# Altium PCB PCB2.PcbDoc (part 3 of 3) (continued)
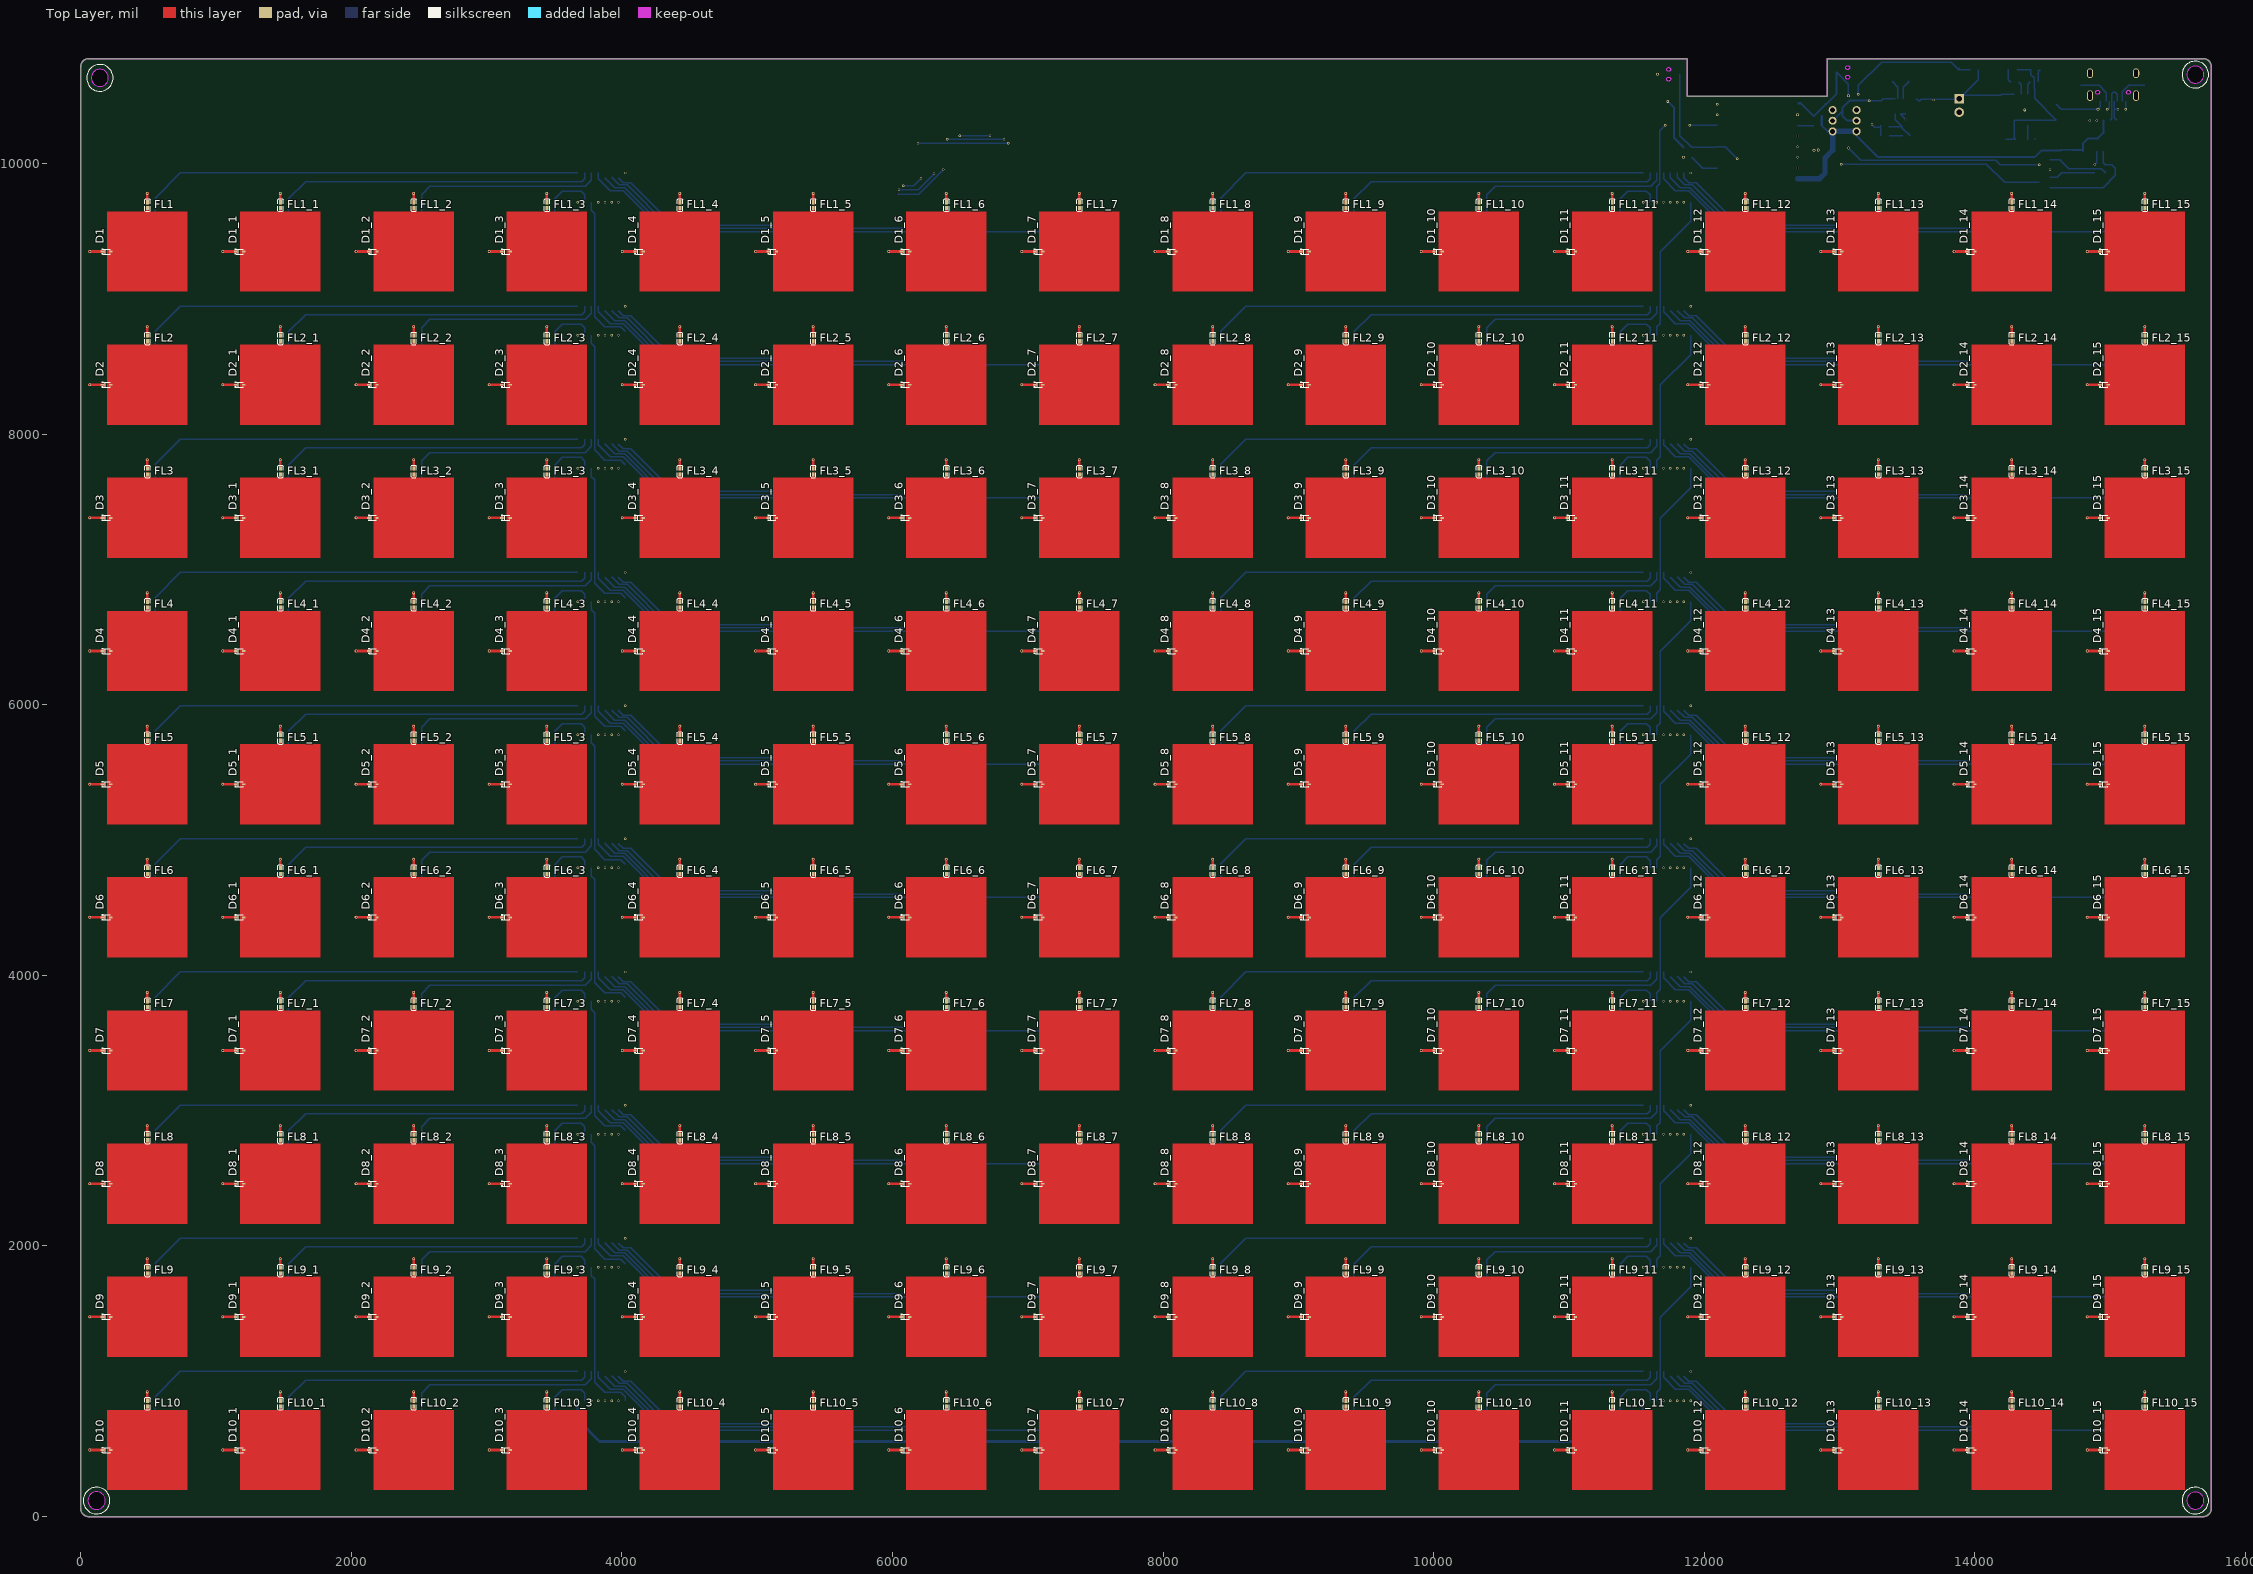
[diagram p0: Top Layer view]
## Nets (pads, with @x,y where several pads share a name; then routed paths per layer and width w, separated by ;. In a path a pad name is that pad's centre, name@x,y a point inside that pad or via, vN(x,y) a via of type N, cw(c..) or ccw(c..) an arc to the next point about the centre after c; other vN are vias at no path point) (continued)
NewNet557: BR_1_6.2 U6_6.4 | length 3745.5
  Bottom Layer w10: U6_6.4@11699,4024.19 11699,3982.49 11787,3894.49 11884,3894.49 12188,3590.49 15093.34,3590.49 BR_1_6.2@15197.34,3694.49
NewNet558: BR_14.2 U6_6.1 | length 3344.1
  Bottom Layer w10: BR_14.2@8424.66,3695.49 8424.66,3838.15 8610.7,4024.19 U6_6.1@11549,4024.19
NewNet559: U6_6.9 U6_7.14 | length 1087.8
  Bottom Layer w10: U6_7.14@11649,2824.54 11649,2886.49 11674,2911.49 11674,3441.49 11899,3666.49 U6_6.9@11899,3808.79
NewNet560: BR_7_7.2 U6_7.2 | length 2433.6
  Bottom Layer w10: BR_7_7.2@9409.66,2708.24 9409.66,2848.9 9537,2976.24 11577,2976.24 11599,2998.24 U6_7.2@11599,3039.94
NewNet561: BR_6_7.2 U6_7.3 | length 1523.2
  Bottom Layer w10: BR_6_7.2@10393.66,2709.24 10393.66,2879.9 10455,2941.24 11603,2941.24 11649,2987.24 U6_7.3@11649,3039.94
NewNet562: BR_5_7.2 U6_7.15 | length 449.6
  Bottom Layer w10: BR_5_7.2@11377.66,2710.24 11377.66,2848.9 11435,2906.24 11572,2906.24 11599,2879.24 U6_7.15@11599,2824.54
NewNet563: BR_4_7.2 U6_7.7 | length 517.4
  Bottom Layer w10: U6_7.7@11849,3004.24 11884,2969.24 11939,2969.24 12198,2710.24 BR_4_7.2@12244.58,2710.24
NewNet564: BR_3_7.2 U6_7.6 | length 1598.4
  Bottom Layer w10: U6_7.6@11799,3007.24 11854,2952.24 11912,2952.24 12209,2655.24 13173.84,2655.24 BR_3_7.2@13228.84,2710.24
NewNet565: BR_2_7.2 U6_7.5 | length 2651.7
  Bottom Layer w10: U6_7.5@11749,3005.24 11823,2931.24 11894,2931.24 12194,2631.24 14134.09,2631.24 BR_2_7.2@14213.09,2710.24
NewNet566: BR_1_7.2 U6_7.4 | length 3745.5
  Bottom Layer w10: U6_7.4@11699,3039.94 11699,2998.24 11787,2910.24 11884,2910.24 12188,2606.24 15093.34,2606.24 BR_1_7.2@15197.34,2710.24
NewNet567: BR_15.2 U6_7.1 | length 3344.1
  Bottom Layer w10: BR_15.2@8424.66,2711.24 8424.66,2853.9 8610.7,3039.94 U6_7.1@11549,3039.94
NewNet568: U6_7.9 U6_8.14 | length 1087.8
  Bottom Layer w10: U6_8.14@11649,1840.28 11649,1902.24 11674,1927.24 11674,2457.24 11899,2682.24 U6_7.9@11899,2824.54
NewNet569: BR_7_8.2 U6_8.2 | length 2433.6
  Bottom Layer w10: BR_7_8.2@9409.66,1723.98 9409.66,1864.64 9537,1991.98 11577,1991.98 11599,2013.98 U6_8.2@11599,2055.68
NewNet570: BR_6_8.2 U6_8.3 | length 1523.2
  Bottom Layer w10: BR_6_8.2@10393.66,1724.98 10393.66,1895.64 10455,1956.98 11603,1956.98 11649,2002.98 U6_8.3@11649,2055.68
NewNet571: BR_5_8.2 U6_8.15 | length 449.6
  Bottom Layer w10: BR_5_8.2@11377.66,1725.98 11377.66,1864.64 11435,1921.98 11572,1921.98 11599,1894.98 U6_8.15@11599,1840.28
NewNet572: BR_4_8.2 U6_8.7 | length 517.4
  Bottom Layer w10: U6_8.7@11849,2019.98 11884,1984.98 11939,1984.98 12198,1725.98 BR_4_8.2@12244.58,1725.98
NewNet573: BR_3_8.2 U6_8.6 | length 1598.4
  Bottom Layer w10: U6_8.6@11799,2022.98 11854,1967.98 11912,1967.98 12209,1670.98 13173.84,1670.98 BR_3_8.2@13228.84,1725.98
NewNet574: BR_2_8.2 U6_8.5 | length 2651.7
  Bottom Layer w10: U6_8.5@11749,2020.98 11823,1946.98 11894,1946.98 12194,1646.98 14134.09,1646.98 BR_2_8.2@14213.09,1725.98
NewNet575: BR_1_8.2 U6_8.4 | length 3745.5
  Bottom Layer w10: U6_8.4@11699,2055.68 11699,2013.98 11787,1925.98 11884,1925.98 12188,1621.98 15093.34,1621.98 BR_1_8.2@15197.34,1725.98
NewNet576: BR_16.2 U6_8.1 | length 3344.1
  Bottom Layer w10: BR_16.2@8424.66,1726.98 8424.66,1869.64 8610.7,2055.68 U6_8.1@11549,2055.68
NewNet577: U6_8.9 U6_9.14 | length 1087.8
  Bottom Layer w10: U6_9.14@11649,856.03 11649,917.98 11674,942.98 11674,1472.98 11899,1697.98 U6_8.9@11899,1840.28
NewNet578: BR_7_9.2 U6_9.2 | length 2433.6
  Bottom Layer w10: BR_7_9.2@9409.66,739.73 9409.66,880.39 9537,1007.73 11577,1007.73 11599,1029.73 U6_9.2@11599,1071.43
NewNet579: BR_6_9.2 U6_9.3 | length 1523.2
  Bottom Layer w10: BR_6_9.2@10393.66,740.73 10393.66,911.39 10455,972.73 11603,972.73 11649,1018.73 U6_9.3@11649,1071.43
NewNet580: BR_5_9.2 U6_9.15 | length 449.6
  Bottom Layer w10: BR_5_9.2@11377.66,741.73 11377.66,880.39 11435,937.73 11572,937.73 11599,910.73 U6_9.15@11599,856.03
NewNet581: BR_4_9.2 U6_9.7 | length 517.4
  Bottom Layer w10: U6_9.7@11849,1035.73 11884,1000.73 11939,1000.73 12198,741.73 BR_4_9.2@12244.58,741.73
NewNet582: BR_3_9.2 U6_9.6 | length 1598.4
  Bottom Layer w10: U6_9.6@11799,1038.73 11854,983.73 11912,983.73 12209,686.73 13173.84,686.73 BR_3_9.2@13228.84,741.73
NewNet583: BR_2_9.2 U6_9.5 | length 2651.7
  Bottom Layer w10: U6_9.5@11749,1036.73 11823,962.73 11894,962.73 12194,662.73 14134.09,662.73 BR_2_9.2@14213.09,741.73
NewNet584: BR_1_9.2 U6_9.4 | length 3745.5
  Bottom Layer w10: U6_9.4@11699,1071.43 11699,1029.73 11787,941.73 11884,941.73 12188,637.73 15093.34,637.73 BR_1_9.2@15197.34,741.73
NewNet585: BR_17.2 U6_9.1 | length 3344.1
  Bottom Layer w10: BR_17.2@8424.66,742.73 8424.66,885.39 8610.7,1071.43 U6_9.1@11549,1071.43
NewNet586: U6_9.9 U6_19.14 | length 8458.1
  S2 w10: v2(3774.98,856.03) 3774.98,736.02 3904,607 11748,607 11899,758 v2(11899,856.03)
NewNet587: BR_7_10.2 U6_10.2 | length 2433.6
  Bottom Layer w10: BR_7_10.2@1535.64,9598 1535.64,9738.66 1662.98,9866 3702.98,9866 3724.98,9888 U6_10.2@3724.98,9929.7
NewNet588: BR_6_10.2 U6_10.3 | length 1523.2
  Bottom Layer w10: BR_6_10.2@2519.64,9599 2519.64,9769.66 2580.98,9831 3728.98,9831 3774.98,9877 U6_10.3@3774.98,9929.7
NewNet589: BR_5_10.2 U6_10.15 | length 449.6
  Bottom Layer w10: BR_5_10.2@3503.64,9600 3503.64,9738.66 3560.98,9796 3697.98,9796 3724.98,9769 U6_10.15@3724.98,9714.3
NewNet590: BR_4_10.2 U6_10.7 | length 517.4
  Bottom Layer w10: U6_10.7@3974.98,9894 4009.98,9859 4064.98,9859 4323.98,9600 BR_4_10.2@4370.57,9600
NewNet591: BR_3_10.2 U6_10.6 | length 1598.4
  Bottom Layer w10: U6_10.6@3924.98,9897 3979.98,9842 4037.98,9842 4334.98,9545 5299.82,9545 BR_3_10.2@5354.82,9600
NewNet592: BR_2_10.2 U6_10.5 | length 2651.7
  Bottom Layer w10: U6_10.5@3874.98,9895 3948.98,9821 4019.98,9821 4319.98,9521 6260.07,9521 BR_2_10.2@6339.07,9600
NewNet593: BR_1_10.2 U6_10.4 | length 3745.5
  Bottom Layer w10: U6_10.4@3824.98,9929.7 3824.98,9888 3912.98,9800 4009.98,9800 4313.98,9496 7219.32,9496 BR_1_10.2@7323.32,9600
NewNet594: BR_18.2 U6_10.1 | length 3344.1
  Bottom Layer w10: BR_18.2@550.64,9601 550.64,9743.66 736.68,9929.7 U6_10.1@3674.98,9929.7
NewNet595: U6_10.14 U6_11.9 | length 1127.8
  Bottom Layer w10: U6_10.14@3774.98,9714.3 3774.98,9654.03 3800,9629.02 3800,8867.02 3875,8792.02 3991,8792.02 U6_11.9@4024.98,8758.03
NewNet596: BR_7_11.2 U6_11.2 | length 2433.6
  Bottom Layer w10: BR_7_11.2@1535.64,8613.75 1535.64,8754.41 1662.98,8881.75 3702.98,8881.75 3724.98,8903.75 U6_11.2@3724.98,8945.45
NewNet597: BR_6_11.2 U6_11.3 | length 1523.2
  Bottom Layer w10: BR_6_11.2@2519.64,8614.75 2519.64,8785.41 2580.98,8846.75 3728.98,8846.75 3774.98,8892.75 U6_11.3@3774.98,8945.45
NewNet598: BR_5_11.2 U6_11.15 | length 449.6
  Bottom Layer w10: BR_5_11.2@3503.64,8615.75 3503.64,8754.41 3560.98,8811.75 3697.98,8811.75 3724.98,8784.75 U6_11.15@3724.98,8730.05
NewNet599: BR_4_11.2 U6_11.7 | length 517.4
  Bottom Layer w10: U6_11.7@3974.98,8909.75 4009.98,8874.75 4064.98,8874.75 4323.98,8615.75 BR_4_11.2@4370.57,8615.75
NewNet600: BR_3_11.2 U6_11.6 | length 1598.4
  Bottom Layer w10: U6_11.6@3924.98,8912.75 3979.98,8857.75 4037.98,8857.75 4334.98,8560.75 5299.82,8560.75 BR_3_11.2@5354.82,8615.75
NewNet601: BR_2_11.2 U6_11.5 | length 2651.7
  Bottom Layer w10: U6_11.5@3874.98,8910.75 3948.98,8836.75 4019.98,8836.75 4319.98,8536.75 6260.07,8536.75 BR_2_11.2@6339.07,8615.75
NewNet602: BR_1_11.2 U6_11.4 | length 3745.5
  Bottom Layer w10: U6_11.4@3824.98,8945.45 3824.98,8903.75 3912.98,8815.75 4009.98,8815.75 4313.98,8511.75 7219.32,8511.75 BR_1_11.2@7323.32,8615.75
NewNet603: BR_19.2 U6_11.1 | length 3344.1
  Bottom Layer w10: BR_19.2@550.64,8616.75 550.64,8759.41 736.68,8945.45 U6_11.1@3674.98,8945.45
NewNet604: U6_11.14 U6_12.9 | length 1127.8
  Bottom Layer w10: U6_11.14@3774.98,8730.05 3774.98,8669.78 3800,8644.76 3800,7882.76 3875,7807.76 3991,7807.76 U6_12.9@4024.98,7773.78
NewNet605: BR_7_12.2 U6_12.2 | length 2433.6
  Bottom Layer w10: BR_7_12.2@1535.64,7629.5 1535.64,7770.16 1662.98,7897.5 3702.98,7897.5 3724.98,7919.5 U6_12.2@3724.98,7961.2
NewNet606: BR_6_12.2 U6_12.3 | length 1523.2
  Bottom Layer w10: BR_6_12.2@2519.64,7630.5 2519.64,7801.16 2580.98,7862.5 3728.98,7862.5 3774.98,7908.5 U6_12.3@3774.98,7961.2
NewNet607: BR_5_12.2 U6_12.15 | length 449.6
  Bottom Layer w10: BR_5_12.2@3503.64,7631.5 3503.64,7770.16 3560.98,7827.5 3697.98,7827.5 3724.98,7800.5 U6_12.15@3724.98,7745.8
NewNet608: BR_4_12.2 U6_12.7 | length 517.4
  Bottom Layer w10: U6_12.7@3974.98,7925.5 4009.98,7890.5 4064.98,7890.5 4323.98,7631.5 BR_4_12.2@4370.57,7631.5
NewNet609: BR_3_12.2 U6_12.6 | length 1598.4
  Bottom Layer w10: U6_12.6@3924.98,7928.5 3979.98,7873.5 4037.98,7873.5 4334.98,7576.5 5299.82,7576.5 BR_3_12.2@5354.82,7631.5
NewNet610: BR_2_12.2 U6_12.5 | length 2651.7
  Bottom Layer w10: U6_12.5@3874.98,7926.5 3948.98,7852.5 4019.98,7852.5 4319.98,7552.5 6260.07,7552.5 BR_2_12.2@6339.07,7631.5
NewNet611: BR_1_12.2 U6_12.4 | length 3745.5
  Bottom Layer w10: U6_12.4@3824.98,7961.2 3824.98,7919.5 3912.98,7831.5 4009.98,7831.5 4313.98,7527.5 7219.32,7527.5 BR_1_12.2@7323.32,7631.5
NewNet612: BR_20.2 U6_12.1 | length 3344.1
  Bottom Layer w10: BR_20.2@550.64,7632.5 550.64,7775.16 736.68,7961.2 U6_12.1@3674.98,7961.2
NewNet613: U6_12.14 U6_13.9 | length 1127.8
  Bottom Layer w10: U6_12.14@3774.98,7745.8 3774.98,7685.53 3800,7660.51 3800,6898.51 3875,6823.51 3991,6823.51 U6_13.9@4024.98,6789.53
NewNet614: BR_7_13.2 U6_13.2 | length 2433.6
  Bottom Layer w10: BR_7_13.2@1535.64,6645.24 1535.64,6785.9 1662.98,6913.24 3702.98,6913.24 3724.98,6935.24 U6_13.2@3724.98,6976.94
NewNet615: BR_6_13.2 U6_13.3 | length 1523.2
  Bottom Layer w10: BR_6_13.2@2519.64,6646.24 2519.64,6816.9 2580.98,6878.24 3728.98,6878.24 3774.98,6924.24 U6_13.3@3774.98,6976.94
NewNet616: BR_5_13.2 U6_13.15 | length 449.6
  Bottom Layer w10: BR_5_13.2@3503.64,6647.24 3503.64,6785.9 3560.98,6843.24 3697.98,6843.24 3724.98,6816.24 U6_13.15@3724.98,6761.54
NewNet617: BR_4_13.2 U6_13.7 | length 517.4
  Bottom Layer w10: U6_13.7@3974.98,6941.24 4009.98,6906.24 4064.98,6906.24 4323.98,6647.24 BR_4_13.2@4370.57,6647.24
NewNet618: BR_3_13.2 U6_13.6 | length 1598.4
  Bottom Layer w10: U6_13.6@3924.98,6944.24 3979.98,6889.24 4037.98,6889.24 4334.98,6592.24 5299.82,6592.24 BR_3_13.2@5354.82,6647.24
NewNet619: BR_2_13.2 U6_13.5 | length 2651.7
  Bottom Layer w10: U6_13.5@3874.98,6942.24 3948.98,6868.24 4019.98,6868.24 4319.98,6568.24 6260.07,6568.24 BR_2_13.2@6339.07,6647.24
NewNet620: BR_1_13.2 U6_13.4 | length 3745.5
  Bottom Layer w10: U6_13.4@3824.98,6976.94 3824.98,6935.24 3912.98,6847.24 4009.98,6847.24 4313.98,6543.24 7219.32,6543.24 BR_1_13.2@7323.32,6647.24
NewNet621: BR_21.2 U6_13.1 | length 3344.1
  Bottom Layer w10: BR_21.2@550.64,6648.24 550.64,6790.9 736.68,6976.94 U6_13.1@3674.98,6976.94
NewNet622: U6_13.14 U6_14.9 | length 1127.8
  Bottom Layer w10: U6_13.14@3774.98,6761.54 3774.98,6701.28 3800,6676.26 3800,5914.26 3875,5839.26 3991,5839.26 U6_14.9@4024.98,5805.28
NewNet623: BR_7_14.2 U6_14.2 | length 2433.6
  Bottom Layer w10: BR_7_14.2@1535.64,5660.99 1535.64,5801.65 1662.98,5928.99 3702.98,5928.99 3724.98,5950.99 U6_14.2@3724.98,5992.69
NewNet624: BR_6_14.2 U6_14.3 | length 1523.2
  Bottom Layer w10: BR_6_14.2@2519.64,5661.99 2519.64,5832.65 2580.98,5893.99 3728.98,5893.99 3774.98,5939.99 U6_14.3@3774.98,5992.69
NewNet625: BR_5_14.2 U6_14.15 | length 449.6
  Bottom Layer w10: BR_5_14.2@3503.64,5662.99 3503.64,5801.65 3560.98,5858.99 3697.98,5858.99 3724.98,5831.99 U6_14.15@3724.98,5777.29
NewNet626: BR_4_14.2 U6_14.7 | length 517.4
  Bottom Layer w10: U6_14.7@3974.98,5956.99 4009.98,5921.99 4064.98,5921.99 4323.98,5662.99 BR_4_14.2@4370.57,5662.99
NewNet627: BR_3_14.2 U6_14.6 | length 1598.4
  Bottom Layer w10: U6_14.6@3924.98,5959.99 3979.98,5904.99 4037.98,5904.99 4334.98,5607.99 5299.82,5607.99 BR_3_14.2@5354.82,5662.99
NewNet628: BR_2_14.2 U6_14.5 | length 2651.7
  Bottom Layer w10: U6_14.5@3874.98,5957.99 3948.98,5883.99 4019.98,5883.99 4319.98,5583.99 6260.07,5583.99 BR_2_14.2@6339.07,5662.99
NewNet629: BR_1_14.2 U6_14.4 | length 3745.5
  Bottom Layer w10: U6_14.4@3824.98,5992.69 3824.98,5950.99 3912.98,5862.99 4009.98,5862.99 4313.98,5558.99 7219.32,5558.99 BR_1_14.2@7323.32,5662.99
NewNet630: BR_22.2 U6_14.1 | length 3344.1
  Bottom Layer w10: BR_22.2@550.64,5663.99 550.64,5806.65 736.68,5992.69 U6_14.1@3674.98,5992.69
NewNet631: U6_14.14 U6_15.9 | length 1127.8
  Bottom Layer w10: U6_14.14@3774.98,5777.29 3774.98,5717.02 3800,5692.01 3800,4930.01 3875,4855.01 3991,4855.01 U6_15.9@4024.98,4821.02
NewNet632: BR_7_15.2 U6_15.2 | length 2433.6
  Bottom Layer w10: BR_7_15.2@1535.64,4676.74 1535.64,4817.4 1662.98,4944.74 3702.98,4944.74 3724.98,4966.74 U6_15.2@3724.98,5008.44
NewNet633: BR_6_15.2 U6_15.3 | length 1523.2
  Bottom Layer w10: BR_6_15.2@2519.64,4677.74 2519.64,4848.4 2580.98,4909.74 3728.98,4909.74 3774.98,4955.74 U6_15.3@3774.98,5008.44
NewNet634: BR_5_15.2 U6_15.15 | length 449.6
  Bottom Layer w10: BR_5_15.2@3503.64,4678.74 3503.64,4817.4 3560.98,4874.74 3697.98,4874.74 3724.98,4847.74 U6_15.15@3724.98,4793.04
NewNet635: BR_4_15.2 U6_15.7 | length 517.4
  Bottom Layer w10: U6_15.7@3974.98,4972.74 4009.98,4937.74 4064.98,4937.74 4323.98,4678.74 BR_4_15.2@4370.57,4678.74
NewNet636: BR_3_15.2 U6_15.6 | length 1598.4
  Bottom Layer w10: U6_15.6@3924.98,4975.74 3979.98,4920.74 4037.98,4920.74 4334.98,4623.74 5299.82,4623.74 BR_3_15.2@5354.82,4678.74
NewNet637: BR_2_15.2 U6_15.5 | length 2651.7
  Bottom Layer w10: U6_15.5@3874.98,4973.74 3948.98,4899.74 4019.98,4899.74 4319.98,4599.74 6260.07,4599.74 BR_2_15.2@6339.07,4678.74
NewNet638: BR_1_15.2 U6_15.4 | length 3745.5
  Bottom Layer w10: U6_15.4@3824.98,5008.44 3824.98,4966.74 3912.98,4878.74 4009.98,4878.74 4313.98,4574.74 7219.32,4574.74 BR_1_15.2@7323.32,4678.74
NewNet639: BR_23.2 U6_15.1 | length 3344.1
  Bottom Layer w10: BR_23.2@550.64,4679.74 550.64,4822.4 736.68,5008.44 U6_15.1@3674.98,5008.44
NewNet640: U6_15.14 U6_16.9 | length 1127.8
  Bottom Layer w10: U6_15.14@3774.98,4793.04 3774.98,4732.77 3800,4707.76 3800,3945.76 3875,3870.76 3991,3870.76 U6_16.9@4024.98,3836.77
NewNet641: BR_7_16.2 U6_16.2 | length 2433.6
  Bottom Layer w10: BR_7_16.2@1535.64,3692.49 1535.64,3833.15 1662.98,3960.49 3702.98,3960.49 3724.98,3982.49 U6_16.2@3724.98,4024.19
NewNet642: BR_6_16.2 U6_16.3 | length 1523.2
  Bottom Layer w10: BR_6_16.2@2519.64,3693.49 2519.64,3864.15 2580.98,3925.49 3728.98,3925.49 3774.98,3971.49 U6_16.3@3774.98,4024.19
NewNet643: BR_5_16.2 U6_16.15 | length 449.6
  Bottom Layer w10: BR_5_16.2@3503.64,3694.49 3503.64,3833.15 3560.98,3890.49 3697.98,3890.49 3724.98,3863.49 U6_16.15@3724.98,3808.79
NewNet644: BR_4_16.2 U6_16.7 | length 517.4
  Bottom Layer w10: U6_16.7@3974.98,3988.49 4009.98,3953.49 4064.98,3953.49 4323.98,3694.49 BR_4_16.2@4370.57,3694.49
NewNet645: BR_3_16.2 U6_16.6 | length 1598.4
  Bottom Layer w10: U6_16.6@3924.98,3991.49 3979.98,3936.49 4037.98,3936.49 4334.98,3639.49 5299.82,3639.49 BR_3_16.2@5354.82,3694.49
NewNet646: BR_2_16.2 U6_16.5 | length 2651.7
  Bottom Layer w10: U6_16.5@3874.98,3989.49 3948.98,3915.49 4019.98,3915.49 4319.98,3615.49 6260.07,3615.49 BR_2_16.2@6339.07,3694.49
NewNet647: BR_1_16.2 U6_16.4 | length 3745.5
  Bottom Layer w10: U6_16.4@3824.98,4024.19 3824.98,3982.49 3912.98,3894.49 4009.98,3894.49 4313.98,3590.49 7219.32,3590.49 BR_1_16.2@7323.32,3694.49
NewNet648: BR_24.2 U6_16.1 | length 3344.1
  Bottom Layer w10: BR_24.2@550.64,3695.49 550.64,3838.15 736.68,4024.19 U6_16.1@3674.98,4024.19
NewNet649: U6_16.14 U6_17.9 | length 1127.8
  Bottom Layer w10: U6_16.14@3774.98,3808.79 3774.98,3748.52 3800,3723.5 3800,2961.5 3875,2886.5 3991,2886.5 U6_17.9@4024.98,2852.52
NewNet650: BR_7_17.2 U6_17.2 | length 2433.6
  Bottom Layer w10: BR_7_17.2@1535.64,2708.24 1535.64,2848.9 1662.98,2976.24 3702.98,2976.24 3724.98,2998.24 U6_17.2@3724.98,3039.94
NewNet651: BR_6_17.2 U6_17.3 | length 1523.2
  Bottom Layer w10: BR_6_17.2@2519.64,2709.24 2519.64,2879.9 2580.98,2941.24 3728.98,2941.24 3774.98,2987.24 U6_17.3@3774.98,3039.94
NewNet652: BR_5_17.2 U6_17.15 | length 449.6
  Bottom Layer w10: BR_5_17.2@3503.64,2710.24 3503.64,2848.9 3560.98,2906.24 3697.98,2906.24 3724.98,2879.24 U6_17.15@3724.98,2824.54
NewNet653: BR_4_17.2 U6_17.7 | length 517.4
  Bottom Layer w10: U6_17.7@3974.98,3004.24 4009.98,2969.24 4064.98,2969.24 4323.98,2710.24 BR_4_17.2@4370.57,2710.24
NewNet654: BR_3_17.2 U6_17.6 | length 1598.4
  Bottom Layer w10: U6_17.6@3924.98,3007.24 3979.98,2952.24 4037.98,2952.24 4334.98,2655.24 5299.82,2655.24 BR_3_17.2@5354.82,2710.24
NewNet655: BR_2_17.2 U6_17.5 | length 2651.7
  Bottom Layer w10: U6_17.5@3874.98,3005.24 3948.98,2931.24 4019.98,2931.24 4319.98,2631.24 6260.07,2631.24 BR_2_17.2@6339.07,2710.24
NewNet656: BR_1_17.2 U6_17.4 | length 3745.5
  Bottom Layer w10: U6_17.4@3824.98,3039.94 3824.98,2998.24 3912.98,2910.24 4009.98,2910.24 4313.98,2606.24 7219.32,2606.24 BR_1_17.2@7323.32,2710.24
NewNet657: BR_25.2 U6_17.1 | length 3344.1
  Bottom Layer w10: BR_25.2@550.64,2711.24 550.64,2853.9 736.68,3039.94 U6_17.1@3674.98,3039.94
NewNet658: U6_17.14 U6_18.9 | length 1127.8
  Bottom Layer w10: U6_17.14@3774.98,2824.54 3774.98,2764.27 3800,2739.25 3800,1977.25 3875,1902.25 3991,1902.25 U6_18.9@4024.98,1868.27
NewNet659: BR_7_18.2 U6_18.2 | length 2433.6
  Bottom Layer w10: BR_7_18.2@1535.64,1723.98 1535.64,1864.64 1662.98,1991.98 3702.98,1991.98 3724.98,2013.98 U6_18.2@3724.98,2055.68
NewNet660: BR_6_18.2 U6_18.3 | length 1523.2
  Bottom Layer w10: BR_6_18.2@2519.64,1724.98 2519.64,1895.64 2580.98,1956.98 3728.98,1956.98 3774.98,2002.98 U6_18.3@3774.98,2055.68
NewNet661: BR_5_18.2 U6_18.15 | length 449.6
  Bottom Layer w10: BR_5_18.2@3503.64,1725.98 3503.64,1864.64 3560.98,1921.98 3697.98,1921.98 3724.98,1894.98 U6_18.15@3724.98,1840.28
NewNet662: BR_4_18.2 U6_18.7 | length 517.4
  Bottom Layer w10: U6_18.7@3974.98,2019.98 4009.98,1984.98 4064.98,1984.98 4323.98,1725.98 BR_4_18.2@4370.57,1725.98
NewNet663: BR_3_18.2 U6_18.6 | length 1598.4
  Bottom Layer w10: U6_18.6@3924.98,2022.98 3979.98,1967.98 4037.98,1967.98 4334.98,1670.98 5299.82,1670.98 BR_3_18.2@5354.82,1725.98
NewNet664: BR_2_18.2 U6_18.5 | length 2651.7
  Bottom Layer w10: U6_18.5@3874.98,2020.98 3948.98,1946.98 4019.98,1946.98 4319.98,1646.98 6260.07,1646.98 BR_2_18.2@6339.07,1725.98
NewNet665: BR_1_18.2 U6_18.4 | length 3745.5
  Bottom Layer w10: U6_18.4@3824.98,2055.68 3824.98,2013.98 3912.98,1925.98 4009.98,1925.98 4313.98,1621.98 7219.32,1621.98 BR_1_18.2@7323.32,1725.98
NewNet666: BR_26.2 U6_18.1 | length 3344.1
  Bottom Layer w10: BR_26.2@550.64,1726.98 550.64,1869.64 736.68,2055.68 U6_18.1@3674.98,2055.68
NewNet667: U6_18.14 U6_19.9 | length 1155.8
  Bottom Layer w10: U6_18.14@3774.98,1840.28 3774.98,1780.02 3800,1755 3800,993 3875,918 3991,918 4024.98,884.02 U6_19.9@4024.98,856.03
NewNet668: BR_7_19.2 U6_19.2 | length 2433.6
  Bottom Layer w10: BR_7_19.2@1535.64,739.73 1535.64,880.39 1662.98,1007.73 3702.98,1007.73 3724.98,1029.73 U6_19.2@3724.98,1071.43
NewNet669: BR_6_19.2 U6_19.3 | length 1523.2
  Bottom Layer w10: BR_6_19.2@2519.64,740.73 2519.64,911.39 2580.98,972.73 3728.98,972.73 3774.98,1018.73 U6_19.3@3774.98,1071.43
NewNet670: BR_5_19.2 U6_19.15 | length 449.6
  Bottom Layer w10: BR_5_19.2@3503.64,741.73 3503.64,880.39 3560.98,937.73 3697.98,937.73 3724.98,910.73 U6_19.15@3724.98,856.03
NewNet671: BR_4_19.2 U6_19.7 | length 517.4
  Bottom Layer w10: U6_19.7@3974.98,1035.73 4009.98,1000.73 4064.98,1000.73 4323.98,741.73 BR_4_19.2@4370.57,741.73
NewNet672: BR_3_19.2 U6_19.6 | length 1598.4
  Bottom Layer w10: U6_19.6@3924.98,1038.73 3979.98,983.73 4037.98,983.73 4334.98,686.73 5299.82,686.73 BR_3_19.2@5354.82,741.73
NewNet673: BR_2_19.2 U6_19.5 | length 2651.7
  Bottom Layer w10: U6_19.5@3874.98,1036.73 3948.98,962.73 4019.98,962.73 4319.98,662.73 6260.07,662.73 BR_2_19.2@6339.07,741.73
NewNet674: BR_1_19.2 U6_19.4 | length 3745.5
  Bottom Layer w10: U6_19.4@3824.98,1071.43 3824.98,1029.73 3912.98,941.73 4009.98,941.73 4313.98,637.73 7219.32,637.73 BR_1_19.2@7323.32,741.73
NewNet675: BR_27.2 U6_19.1 | length 3344.1
  Bottom Layer w10: BR_27.2@550.64,742.73 550.64,885.39 736.68,1071.43 U6_19.1@3674.98,1071.43
NewNet676: 
RST: Q1.3 R11.2 SW2.1 U5.1 | length 2614.3
  S2 w10: v1(13066,10114.5) v1(13066,10500.2)
  Bottom Layer w10: U5.1@12689.4,10438.8 U5.1@12695.6,10445 ; SW2.1@12977.91,10672.8 13066,10584.71 v1(13066,10500.2) ; v1(13066,10114.5) 13158,10022.5 14155.9,10022.5 14188.9,9989.5 v1(14476.63,9989.5)
  Bottom Layer w15: U5.1@12695.6,10445 12713.84,10445 R11.2@12809.14,10349.7 12897.04,10437.6 12901,10437.6 12977.91,10514.51 SW2.1@12977.91,10672.8
RTS#: Q1.2 R17.1 U4.14 | length 453.3
  S2 w10: v2(14555.37,9952.1) 14683.7,9952.1 14723.2,9991.6 14887.14,9991.6 v2(14887.5,9991.96)
  Bottom Layer w10: v2(14887.5,9991.96) 14900,10004.46 U4.14@14900,10091.41
VBUS: R4.1 USBC1.A4 USBC1.A9 | length 683
  S2 w10: v1(14910,10400.5) 14943.3,10367.2 15089.3,10367.2 15115.8,10393.7 v1(15115.8,10400.1)
  Bottom Layer w10: R4.1@14603.3,10435.9 14638.7,10400.5 v1(14910,10400.5) 14927,10417.5 USBC1.A4@14927,10459.2 ; v1(15115.8,10400.1) USBC1.A9@15115.8,10459
pads on no net: SW4.1 SW4.4 U4.7 U4.8 U4.9 U4.10 U4.11 U4.12 U4.15 U5.11 U5.17 U5.18 U5.19 U5.20 U5.21 U5.22 U6_10.9 USBC1.0 USBC1.A8 USBC1.B8

## Polygon pours and split planes (outlines as drawn)
VBUS on Bottom Layer "BUSV" (solid, pour order 92): 14947.74,10416.54 14948.34,10367.84 14606.04,10367.84 14568.54,10405.34 14563.84,10410.5 14563.84,10502.34 14560.54,10505.64 14561.44,10504.74 14694.74,10504.74 14736.14,10504.74 14797.44,10443.44 14824.34,10416.54 14928.44,10416.54
NewNet482 on Bottom Layer "BUSV" (solid, remove dead copper, pour order 94): 14640.5,10346 14640.5,10292.4 14639.9,10291.8 14562.7,10291.8 14562.7,10303.8 14479.3,10387.2 14458.9,10407.6 14458.9,10450.1 14458.9,10450.9 14427.6,10482.2 14420.3,10489.5 14420.3,10543.1 14463.5,10543.1 14464.1,10542.5 14509.7,10496.9 14509.7,10418.2 14509.7,10417.7 14579.4,10348 14581.2,10346.2 14640.2,10346.2
BAT+ on Bottom Layer "BUSV" (solid, remove dead copper, pour order 96): 14309.3,10540.5 14309.7,10483.1 14309,10482.4 14308,10483.4 14049,10483.4 13993.7,10483.4 13943,10432.7 13940.1,10429.8 13829.6,10429.8 13530.1,10429.8 13529.6,10429.3 13489.9,10469 13489.9,10479.2 13489.9,10499.6 13536.4,10499.6 13655.9,10499.6 13655.9,10523.5 13751.3,10618.9 13752.3,10619.9 14065.3,10619.9 14167.9,10619.9 14170.5,10622.5 14254.3,10538.7 14264.3,10538.7 14307.5,10538.7
3V3 on Bottom Layer "BUSV" (solid, remove dead copper, pour order 98): 13411.1,10505.7 13411.3,10505.5 13411.3,10461.5 13391.3,10461.5 13360.4,10430.6 13355.8,10426 13280.8,10426 13165.3,10426 13165.2,10426.1 13160.3,10431 13160.3,10506.9 13409.9,10506.9 13410.8,10506 13411.1,10505.7 13411.1,10479.2
3V3 on Bottom Layer "BUSV" (solid, remove dead copper, pour order 100): 13162.9,10491.1 13109.3,10491.1 13100.3,10482.1 12992.9,10374.7 12992.9,10348.9 12923.5,10348.9 12911.1,10336.5 12910.2,10335.6 12910.2,10294.1 12910.2,10293.2 12925.2,10278.2 12925.7,10278.7 12993.3,10278.7 13162,10278.7 13165,10281.7 13168.9,10285.6 13168.9,10333.5 13168.9,10339 13153.4,10354.5 13150.9,10357 13079.8,10357 13079.8,10368.6 13068.7,10379.7 13066.9,10381.5 13066.9,10424.7 13095.6,10424.7 13108.9,10438 13109.4,10437.5 13168.4,10437.5
NewNet492 on Bottom Layer "BUSV" (solid, remove dead copper, pour order 102): 13469,10517.6 13570.2,10517.3 13592,10517.3 13592,10539.1 13592,10693.1 13457.8,10693.1 13456.9,10692.2 13457.5,10691.6 13457.5,10580.6 13457.5,10525.8 13465.7,10517.6
NewNet491 on Bottom Layer "BUSV" (solid, remove dead copper, pour order 104): 13430.8,10517.5 13337.6,10517.5 13308.2,10518.7 13308.2,10537.8 13308.2,10546.9 13308.2,10689.5 13432,10689.5 13432.8,10690.3 13436.7,10686.4 13436.7,10518.7
GND on Bottom Layer "BUSV" (solid, remove dead copper, pour order 124): 17389,13291 17389,-1535 -5042,-1535 -5132,-1535 -5132,12725
GND on Y1 "BUSV" (solid, remove dead copper, pour order 122): 17706,12634 17706,-1716 -3819,-1716 -4114,-1716 -4114,12974

## Keep-outs
Keep-Out Layer:
  circle w0.79: c15629.57,117.11 r62.99
  circle w0.79: c141.57,10632.63 r62.99
  circle w0.79: c117.95,116.95 r64.96
  circle w0.79: c15629.57,10656.63 r62.99
  lines w0.5: -0.16,57.9 -0.16,10715.38 ; 58.9,-1.16 15688.82,-1.16 ; 58.9,10774.43 59.05,10774.28 11875.15,10774.28 11875.15,10768.9 11875.15,10758.9 11875.15,10497.3 12072,10497.3 12712,10497.3 12908.85,10497.3 12908.85,10768.9 12908.85,10774.28 ; 12909,10774.43 15688.82,10774.43 ; 15747.87,57.9 15747.87,10715.38
  lines w0.51: -0.16,57.9 ccw(c58.9,57.9) 58.9,-1.16 ; -0.16,10715.38 cw(c58.9,10715.38) 58.9,10774.43 ; 15688.82,-1.16 ccw(c15688.82,57.9) 15747.87,57.9 ; 15688.82,10774.43 cw(c15688.82,10715.38) 15747.87,10715.38

## Other copper
Top Layer:
  drawing of 480 lines, arcs and shapes, not listed

## Silkscreen, mask and mechanical layers (free items; w line width, h text height)
Top Overlay:
  circle w0.79: c15629.57,117.11 r98.43
  circle w0.79: c117.57,117.11 r98.43
  circle w0.79: c15629.57,10656.63 r98.43
  circle w0.79: c141.57,10632.63 r98.43
Bottom Overlay:
  circle w0.79: c117.57,117.11 r98.43
  circle w0.79: c141.57,10632.63 r98.43
  circle w0.79: c15629.57,10656.63 r98.43
  circle w0.79: c15629.57,117.11 r98.43
  text "RST" at 13286,10658.5 h39.37
Top Solder:
  drawing of 480 lines, arcs and shapes, not listed
Mechanical 1:
  drawing of 2880 lines, arcs and shapes, not listed
Mechanical 2:
  drawing of 320 lines, arcs and shapes, not listed
Mechanical 3:
  drawing of 234 lines, arcs and shapes, not listed
Mechanical 4:
  lines w0.5: 11975.03,9939.12 11982.9,9939.12 11975.03,9939.12 ; 13038.02,9939.12 13045.9,9939.12 13038.02,9939.12 ; 14101.01,9939.12 14108.89,9939.12 14101.01,9939.12 ; 15164.01,9939.12 15171.88,9939.12 15164.01,9939.12